# Allegro board LAY-29364_B.brd (continued)
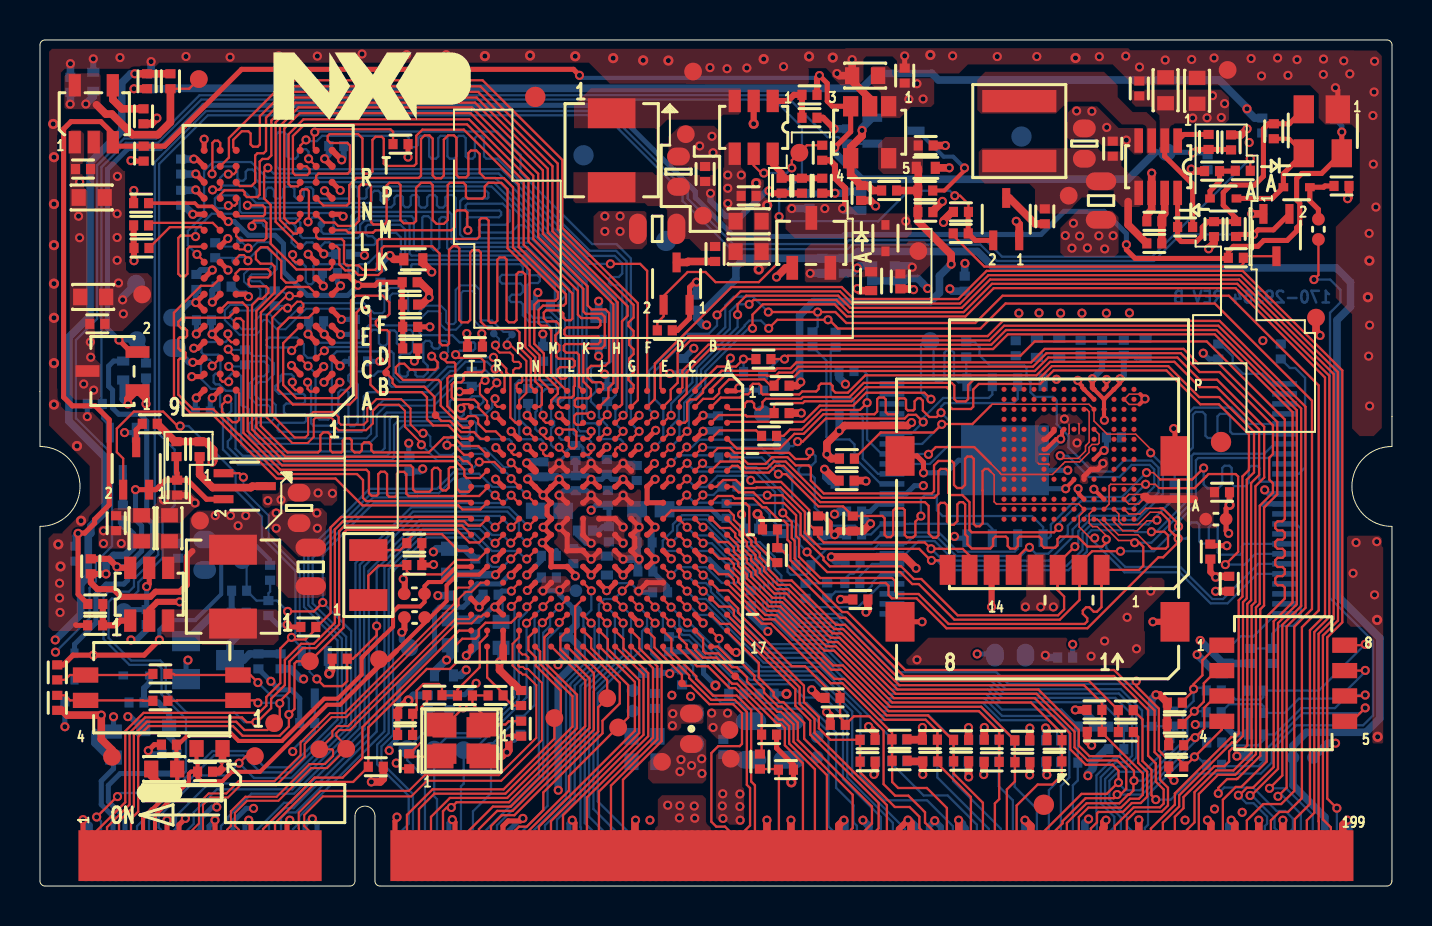
[diagram p0: board, top side]
## Routing (per net, layer and track width the routed paths; a pad name or vN(x,y) marks a point on that pad's centre or on a via; arc(x,y) is an arc through that point) (continued)
LCD_DATA0: length 44.6
  TOP w0.114: P801.153 51.35,3.16 51.81,3.62 52.33,4.14 53.97,4.14 54.41,4.58 54.48,4.58 54.68,4.78 54.68,5.25 v1(54.7,5.27) 54.7,5.77 53.97,6.5 52.47,6.5 51.95,7.03 51.95,7.81 49.92,9.84 42.88,9.84 40.07,12.64 39.62,12.64 37.41,14.86 36.81,14.86 35.99,15.67 35.99,15.86 35.56,16.29 35.56,16.48 35.13,16.92 35.13,17.12 34.76,17.48 34.76,17.66 34.5,17.92 34.02,17.92 U101.B9 ; SW601.1 58.88,12.05 58.12,11.3 58.12,10.55 57.68,10.11 v1(57.68,9.86) 57.68,9.78 57.12,9.22 R631.2
  BOTTOM w0.114: R630.1 58.19,9.92 57.74,9.92 v1(57.68,9.86) 57.68,9.26 57.15,8.73 57.15,7.24 55.19,5.27 v1(54.7,5.27)
LCD_DATA1: length 34.1
  TOP w0.114: P801.155 51.95,3.45 52.42,3.93 54.06,3.93 54.51,4.37 54.95,4.37 55.15,4.56 55.15,5.63 53.12,7.66 R632.2 53.1,7.73 R623.1 53.1,9.16 52.21,10.05 42.97,10.05 40.16,12.86 39.71,12.86 37.5,15.08 36.9,15.08 36.21,15.76 36.21,15.95 35.78,16.38 35.78,16.57 35.34,17 35.34,17.21 34.98,17.57 34.98,17.74 34.36,18.37 U101.A9
LCD_DATA2: length 41
  TOP w0.114: U101.E10 31.16,17.56 v1(31.56,17.16)
  BOTTOM w0.114: v1(31.56,17.16) 31.86,17.47 31.86,18.01 32.2,18.35 33.32,18.35 34.66,17 35.9,17 36.52,16.38 36.52,15.78 36.86,15.45 36.86,15.11 37.23,14.74 37.23,14.35 38.17,13.4 39.93,13.4 42.84,10.49 47.66,10.49 48.3,9.85 54.04,9.85 55.1,8.79 55.1,8.1 55.21,8 R633.2 56.66,8 R622.1 56.67,7.21 55.18,5.72 53.92,5.72 53.47,5.27 53.47,4.32 54.37,3.43 54.37,2.98 54.65,2.7 P801.164
LCD_DATA3: length 31.4
  TOP w0.114: v1(32.36,17.16) 31.96,17.56 U101.D10
  BOTTOM w0.114: v1(32.36,17.16) 32.75,16.77 33.67,16.77 34.31,16.14 35.54,16.14 35.66,16.02 35.66,15.42 35.99,15.09 35.99,14.76 36.36,14.38 36.36,13.89 37.71,12.54 39.57,12.54 42.49,9.62 47.31,9.62 48.09,8.83 51.07,8.83 R621.1 51.92,7.31 51.89,7.28 R634.2 51.89,5.28 51.65,5.04 P801.154
LCD_DATA4: length 33.5
  TOP w0.114: U101.C10 32.76,17.56 v1(33.16,17.16)
  BOTTOM w0.114: v1(33.16,17.16) 33.59,17.16 34.39,16.36 35.63,16.36 35.87,16.11 35.87,15.51 36.21,15.18 36.21,14.85 36.58,14.47 36.58,13.98 37.8,12.75 39.66,12.75 42.58,9.84 47.4,9.84 48.03,9.2 53.07,9.2 54.19,8.08 R620.1 54.19,7.97 R635.2 54.19,6.75 53.86,6.41 53.7,6.41 52.83,5.54 52.83,3.72 52.85,3.7 52.85,1.52 P801.158
LCD_DATA5: length 43.2
  TOP w0.114: U101.B10 33.93,17.22 34.4,17.22 34.7,16.92 34.7,16.74 35.13,16.3 35.13,16.12 35.56,15.68 35.56,15.5 36.63,14.43 37.19,14.43 39.41,12.21 39.89,12.21 42.7,9.4 49.74,9.4 51.51,7.63 51.51,6.85 52.29,6.07 53.63,6.07 53.93,5.78 v1(53.93,5.18) 53.91,5.18 53.34,4.61 52.08,4.61 50.15,2.68 P801.149 ; SW601.2 58.83,10.78 58.19,10.15 58.19,9.22 v1(57.72,8.75) 57.11,8.14 R636.2
  BOTTOM w0.114: v1(53.93,5.18) 53.93,5.14 54.27,4.79 55.02,4.79 57.37,7.15 57.37,8.4 v1(57.72,8.75) 58.26,8.75 R629.1
LCD_DATA6: length 41.8
  TOP w0.114: U101.A10 34.91,17.03 34.91,16.83 35.34,16.39 35.34,16.21 35.78,15.77 35.78,15.58 36.72,14.64 37.32,14.64 39.53,12.43 39.98,12.43 42.79,9.62 49.83,9.62 51.73,7.72 51.73,6.94 52.38,6.29 53.86,6.29 54.32,5.83 54.32,4.87 54.02,4.58 53.86,4.58 v1(53.86,4.58) 53.81,4.53 53.81,4.51 53.69,4.4 52.28,4.4 51.13,3.25 51.13,3.14 50.75,2.75 P801.151 ; R637.2 57.57,7.43 v1(57.76,7.43) 58.22,7.89 58.22,8.93 58.81,9.51 SW601.3
  BOTTOM w0.114: v1(53.86,4.58) 55.06,4.58 55.14,4.61 57.76,7.23 v1(57.76,7.43) 57.85,7.52 58.01,7.52 R628.1
LCD_DATA7: length 46.7
  TOP w0.114: SW601.4 59.09,7.83 v1(57.73,6.47) 57.25,5.99 R638.2 57.19,6.09 56.77,6.51 56.23,6.51 55.95,6.79 55.95,8.88 54.82,10.01 v1(54.82,10.25) ; v1(32.36,16.36) 31.96,16.76 U101.D11
  BOTTOM w0.114: P801.166 55.25,2.91 55.41,3.07 55.41,4.57 57.3,6.47 v1(57.73,6.47) 57.88,6.47 58.28,6.07 R627.1 ; v1(54.82,10.25) 54.68,10.12 48.41,10.12 47.83,10.7 42.93,10.7 40.02,13.62 38.29,13.62 37.44,14.47 37.44,14.83 37.07,15.2 37.07,15.54 36.74,15.87 36.74,16.47 35.99,17.22 34.75,17.22 33.41,18.56 32.11,18.56 31.65,18.1 31.65,17.8 31.14,17.29 31.14,16.94 31.31,16.77 31.95,16.77 v1(32.36,16.36)
LCD_DATA8: length 25.3
  TOP w0.114: U101.B11 33.96,16.39 34.43,16.39 34.7,16.12 34.7,15.94 35.13,15.5 35.13,15.32 36.45,14 37.01,14 39.23,11.78 39.71,11.78 42.52,8.97 47.07,8.97 R616.1 48.75,6.2 R639.2 48.75,5.24 48.35,4.83 P801.143
LCD_DATA9: length 28.3
  TOP w0.114: P801.145 48.95,2.66 48.84,2.77 48.84,4.03 49.89,5.08 50.62,5.08 51.1,5.55 R640.2 51.1,6.24 R615.1 51.1,7.64 49.55,9.19 42.61,9.19 39.8,12 39.32,12 37.1,14.21 36.54,14.21 35.34,15.41 35.34,15.59 34.91,16.03 34.91,16.21 34.36,16.77 U101.A11
LCD_DATA10: length 31.5
  TOP w0.114: v1(31.56,15.56) 31.16,15.96 U101.E12
  BOTTOM w0.114: P801.152 51.05,5.01 51.47,5.43 51.47,7.74 50.7,8.51 48.11,8.51 47.22,9.4 42.4,9.4 39.48,12.32 37.62,12.32 36.15,13.8 36.15,14.29 35.66,14.78 R614.1 35.55,14.83 35.24,15.15 35.24,15.59 ; 35.24,15.59 R641.2 ; 35.24,15.59 34.82,15.17 34.1,15.17 33.31,15.96 31.96,15.96 v1(31.56,15.56)
LCD_DATA11: length 26.7
  TOP w0.114: U101.D12 31.96,15.96 v1(32.36,15.56)
  BOTTOM w0.114: P801.148 49.85,3.86 48.74,4.97 R642.2 48.73,6.22 R613.1 48.73,7.28 47.04,8.97 42.22,8.97 39.3,11.89 36.39,11.89 33.55,14.73 33.55,14.92 33.3,15.17 32.75,15.17 v1(32.36,15.56)
LCD_DATA12: length 28.3
  TOP w0.114: U101.C12 32.76,15.96 v1(33.16,15.56)
  BOTTOM w0.114: v1(33.16,15.56) 33.21,15.56 33.86,14.91 33.86,14.72 36.48,12.11 39.39,12.11 42.31,9.19 47.13,9.19 48.02,8.3 50.44,8.3 50.86,7.88 50.86,7.47 R612.1 51.03,6.2 R643.2 51.04,5.39 50.45,4.8 P801.150
LCD_DATA13: length 22.2
  TOP w0.114: P801.139 47.15,4.17 45.69,5.63 R644.2 45.68,6.25 R611.1 45.62,7.32 44.4,8.54 42.34,8.54 40.06,10.82 39.57,10.82 36.83,13.56 36.27,13.56 34.7,15.14 34.7,15.32 34.41,15.61 33.94,15.61 U101.B12
LCD_DATA14: length 23.5
  TOP w0.114: U101.A12 34.36,15.97 34.91,15.41 34.91,15.23 36.36,13.78 36.92,13.78 39.66,11.04 40.15,11.04 42.43,8.76 46.95,8.76 47.97,7.74 R610.1 47.97,6.22 R645.2 47.96,4.35 47.75,4.14 P801.141
LCD_DATA15: length 23.8
  TOP w0.114: v1(32.36,14.76) 31.96,15.16 U101.D13
  BOTTOM w0.114: P801.142 48.05,2.87 45.66,5.26 R646.2 45.68,6.23 R609.1 44.44,8.54 42.04,8.54 39.16,11.42 36.25,11.42 33.3,14.37 32.75,14.37 v1(32.36,14.76)
LCD_DATA16: length 24.8
  TOP w0.114: v1(33.16,14.76) 32.76,15.16 U101.C13
  BOTTOM w0.114: v1(33.16,14.76) 33.21,14.76 36.3,11.68 39.21,11.68 42.13,8.76 46.95,8.76 47.94,7.76 R608.1 47.94,6.23 R647.2 47.94,5 48.65,4.29 P801.144
LCD_DATA17: length 20.3
  TOP w0.114: P801.133 45.35,3.91 44.35,4.91 42.91,4.91 42.61,5.21 R648.2 42.61,6.28 R607.1 42.61,7.67 40.12,10.15 39.54,10.15 36.56,13.13 36.09,13.13 34.42,14.8 33.95,14.8 U101.B13
LCD_DATA18: length 20.5
  TOP w0.114: U101.A13 34.36,15.17 36.18,13.35 36.74,13.35 39.72,10.37 40.21,10.37 42.25,8.32 44.28,8.32 44.87,7.74 R606.1 44.87,6.26 R649.2 44.89,6.12 46.55,4.46 P801.137
LCD_DATA19: length 21.9
  TOP w0.114: U101.D14 31.96,14.36 v1(32.36,13.96)
  BOTTOM w0.114: v1(32.36,13.96) 32.54,13.96 32.93,13.57 33.49,13.57 36.09,10.96 39,10.96 42.58,7.39 R605.1 42.58,6.24 R650.2 42.58,6.13 44.19,4.53 45.39,4.53 46.85,3.07 P801.138
LCD_DATA20: length 22.2
  TOP w0.114: v1(33.16,13.96) 32.76,14.36 U101.C14
  BOTTOM w0.114: P801.140 47.45,2.86 44.87,5.44 R651.2 44.87,6.23 R604.1 44.87,7.74 44.28,8.32 41.95,8.32 39.09,11.18 36.18,11.18 33.4,13.96 v1(33.16,13.96)
LCD_DATA21: length 18.9
  TOP w0.114: U101.B14 33.96,13.98 34.51,13.98 34.7,13.8 34.7,13.54 38.2,10.03 38.2,9.2 38.95,8.46 38.95,7.9 39.52,7.32 R603.1 41,6.23 R652.2 41.01,5.7 42.75,3.96 43.48,3.96 43.97,3.47 43.97,2.9 44.15,2.72 P801.129
LCD_DATA22: length 19.5
  TOP w0.114: P801.131 44.75,2.68 44.25,3.17 44.25,3.69 43.42,4.52 42.76,4.52 42.18,5.1 42.18,7.78 41.47,8.5 40.7,8.5 R653.2 40.27,8.17 40.01,8.43 R602.1 40.01,9.68 39.81,9.87 39.38,9.87 38.25,11 37.59,11 34.91,13.68 34.91,13.89 34.42,14.39 U101.A14
LCD_DATA23: length 19.7
  TOP w0.114: U101.B16 v1(33.95,12.39)
  BOTTOM w0.114: v1(33.95,12.39) 33.95,12.01 34.79,11.17 35.26,11.17 35.69,10.75 38.91,10.75 41.03,8.63 R601.1 41.03,6.24 R654.2 41.03,5.49 42.23,4.29 44.36,4.29 45.65,3 P801.134
LCD_DE: length 36.9
  TOP w0.114: P801.163 54.35,3.29 54.78,3.72 56.09,3.72 56.4,4.04 56.4,4.92 56.01,5.32 56.01,6.43 55.73,6.7 55.73,8.79 53.71,10.81 43.26,10.81 40.36,13.71 40.11,13.71 37.52,16.31 37.52,17.19 37.38,17.33 37.38,18.1 37.19,18.29 36.98,18.29 36.32,18.95 36.12,18.95 35.67,19.4 34.74,19.4 34.62,19.52 33.9,19.52 U101.B8
LCD_DISP: length 35.4
  TOP w0.114: U101.R6 22.72,21.22 v1(21.96,21.22)
  BOTTOM w0.114: v1(21.96,21.22) 21.6,20.86 20.83,20.86 19.85,19.88 16.48,19.88 13.2,16.61 13.2,13.97 14.88,12.29 14.88,8.32 13.32,6.77 12.5,5.94 11.23,5.94 10.42,6.75 8.61,6.75 4.85,2.99 P801.10
LCD_HSYNC: length 36
  TOP w0.114: v1(32.36,17.96) 31.96,18.36 U101.D9
  BOTTOM w0.114: v1(32.36,17.96) 32.77,17.55 33.51,17.55 34.48,16.57 35.72,16.57 36.09,16.2 36.09,15.6 36.42,15.27 36.42,14.93 36.8,14.56 36.8,14.07 37.89,12.97 39.75,12.97 42.67,10.05 47.49,10.05 48.12,9.42 53.77,9.42 54.61,8.58 54.61,6.52 54.28,6.2 53.79,6.2 53.04,5.45 53.04,4.14 53.72,3.47 53.72,2.95 53.45,2.68 P801.160
LCD_PCLK: length 32.5
  TOP w0.114: P801.161 53.75,3 54.69,3.94 56,3.94 56.19,4.13 56.19,4.83 55.79,5.23 55.79,6.14 55.41,6.52 55.41,8.81 53.7,10.51 43.18,10.51 40.27,13.42 40.02,13.42 37.31,16.14 37.31,16.6 36.97,16.94 R413.2 36.88,16.95 C414.2
LCD_RESET: length 28.7
  TOP w0.114: U101.E9 31.57,18.79 34.45,18.79 34.7,18.54 34.7,18.34 35.2,17.83 35.2,17.66 35.57,17.29 35.57,17.08 35.99,16.66 35.99,16.47 36.42,16.04 36.42,15.85 36.99,15.29 37.59,15.29 39.8,13.08 40.25,13.08 43.06,10.27 52.46,10.27 R404.1 53.92,7.71 R405.1
LCD_RST: length 8.6
  TOP w0.114: R405.2 54.91,7.46 54.91,6.17 55.36,5.72 55.36,4.47 55.04,4.15 54.6,4.15 54.15,3.71 52.93,3.71 52.85,3.63 52.85,3.19 52.55,2.88 P801.157
LCD_VSYNC: length 35.4
  TOP w0.114: v1(33.16,17.96) 32.76,18.36 U101.C9
  BOTTOM w0.114: v1(33.16,17.96) 33.4,17.96 34.57,16.79 35.81,16.79 36.3,16.29 36.3,15.69 36.64,15.36 36.64,15.02 37.01,14.65 37.01,14.18 38,13.19 39.84,13.19 42.76,10.27 47.58,10.27 48.21,9.63 53.95,9.63 54.82,8.76 54.82,6.43 54.37,5.98 53.88,5.98 53.26,5.36 53.26,4.23 54.05,3.44 P801.162
MX6_POR_B: length 104.1
  TOP w0.114: R757.1 v1(60.52,36.41) ; v1(3.88,4.48) 3.86,4.48 v1(2.83,3.45)
  BOTTOM w0.114: v1(3.88,4.48) 4.06,4.66 6.21,4.66 7.3,5.75 7.3,8.36 6.08,9.59 6.08,10.89 5.9,11.07 4.47,11.07 3.18,12.36 3.18,14.48 3.43,14.73 4.45,14.73 4.7,14.99 4.7,15.37 5.91,16.58 5.91,18.47 5.74,18.64 5.74,36.23 8.3,38.79 28.33,38.79 32.39,34.74 32.39,34.42 34.67,32.13 40.26,32.13 40.45,32.32 47.28,32.32 48.1,31.5 55.61,31.5 v1(60.52,36.41) ; P801.4 3.05,3.24 v1(2.83,3.45)
NAND_ALE: length 23.4
  TOP w0.076: 47.54,21.15 47.99,20.7 47.99,20.68 48.07,20.6 50.63,20.6 51.14,21.11 51.14,21.11 51.25,21.23 51.98,21.23 52.46,21.7 52.46,21.95 52.6,22.1 52.89,22.1 52.96,22.17 52.96,22.6 U301.K5
  TOP w0.114: v1(44.43,21.61) 44.79,21.97 46.72,21.97 47.54,21.15 ; v1(41.36,24.19) 41,23.83 39.08,23.83 38.1,22.85 37.5,22.85 37.18,22.53 R412.2
  BOTTOM w0.114: R301.1 41.19,25.78 41.36,25.61 v1(41.36,24.19) 41.36,22.35 42.08,21.63 U302.17 44.41,21.63 v1(44.43,21.61)
NAND_CE3N: length 9.5
  BOTTOM w0.114: U302.14 42.04,20.13 40.76,21.41 R319.2 40.73,22.1 40.48,22.35 39.44,22.35 39.33,22.47 39.33,26.29 R311.2
NAND_CE4N: length 8.9
  BOTTOM w0.114: R312.2 39.66,26.97 39.54,26.85 39.54,24.51 39.66,24.4 40.6,24.4 40.71,24.28 R320.2 41.02,23.6 41.14,23.47 41.14,21.39 41.9,20.63 U302.15
NAND_CLE: length 25.7
  TOP w0.114: v1(45.05,23.69) 44.84,23.48 44.47,23.48 44.15,23.8 44.15,24.29 44.02,24.42 43.89,24.42 43.73,24.26 43.73,23.87 43.67,23.8 43.39,23.8 43.3,23.89 43.3,24.33 43.23,24.41 42.96,24.41 42.87,24.32 42.87,23.67 42.81,23.61 42.4,23.61 42.29,23.72 42.29,24.36 42.2,24.45 41.94,24.45 41.86,24.37 41.86,23.75 41.73,23.61 39.17,23.61 38.19,22.63 37.72,22.63 36.99,21.9 34.85,21.9 U101.A4
  BOTTOM w0.114: U303.7 48.89,24.38 48.68,24.17 45.24,24.17 45.05,23.99 v1(45.05,23.69) 45.48,23.27 45.48,22.11 44.5,21.13 U302.16
NAND_DATA0: length 35.3
  TOP w0.076: U301.A3 53.7,18.22 54.15,17.78 54.86,17.78 55.36,18.28 55.82,18.28 v1(55.85,18.31)
  TOP w0.114: v1(35.54,20.31) 35.62,20.23 37.06,20.23 38.46,18.82 38.46,18.1 38.8,17.77 R321.2 38.9,17.49 39.19,17.2 44.24,17.2 v1(44.56,16.88) 44.96,16.88 44.96,16.88 46.14,16.88 46.48,16.54 46.48,15.83 J301.7 ; U101.D7 v1(32.35,20.38)
  BOTTOM w0.114: R324.2 55.85,18.54 v1(55.85,18.31) 55.82,18.28 55.61,18.28 55.42,18.1 55.42,18.1 52.57,18.1 52.13,17.67 52.13,16.83 51.33,16.03 45.42,16.03 44.56,16.88 v1(44.56,16.88) ; v1(32.35,20.38) 32.76,19.97 33.32,19.97 33.88,20.53 35.32,20.53 v1(35.54,20.31)
NAND_DATA1: length 47
  TOP w0.076: 55.46,17.02 54.9,17.58 53.93,17.58 53.2,18.3 U301.A4
  TOP w0.114: J301.8 45.38,15.83 45.38,15.89 44.97,16.3 v1(44.58,16.3) 44.54,16.3 43.96,16.88 39.05,16.88 38.25,17.68 38.25,18.73 37.03,19.95 35.83,19.95 35.8,19.92 35.2,19.92 34.8,20.32 34.16,20.32 33.82,19.98 U101.B7 ; 55.46,17.02 55.59,16.89 56.29,16.89 56.4,17.01 56.4,17.56 56.23,17.73 v1(55.57,17.73)
  BOTTOM w0.114: v1(44.58,16.3) 44.84,16.3 45.33,15.81 51.42,15.81 52.35,16.74 52.35,17.58 52.58,17.81 54.67,17.81 54.76,17.71 55.56,17.71 v1(55.57,17.73) 55.82,17.73 57.37,19.28 57.37,21.67 57.65,21.95 57.65,23.59 57.79,23.73 58.13,23.73 58.28,23.59 58.28,22.54 58.39,22.43 58.76,22.43 58.88,22.54 58.88,23.51 59,23.63 59.37,23.63 59.51,23.49 59.51,22.74 59.63,22.63 U302.30
NAND_DATA2: length 43.1
  TOP w0.076: v1(54.74,17.18) 54.63,17.29 53.93,17.29 52.86,18.36 U301.A5
  TOP w0.114: U101.A7 34.66,19.98 34.94,19.7 35.68,19.7 36.21,19.17 37.19,19.17 37.81,18.56 37.81,17.51 37.95,17.37 37.95,16.49 39.02,15.42 42.61,15.42 42.76,15.27 42.76,14.75 42.9,14.62 43.93,14.62 45.43,13.12 52.24,13.12 52.37,13.25 52.37,13.41 52.14,13.63 52.14,13.79 52.31,13.95 52.47,13.95 52.69,13.73 52.85,13.73 53.08,13.96 53.08,15.01 53.08,15.02 J301.1 54.96,15.83 55.17,16.03 55.17,16.98 54.97,17.18 v1(54.74,17.18)
  BOTTOM w0.114: v1(54.74,17.18) 55.57,17.18 57.58,19.19 57.58,21.53 57.7,21.64 61.23,21.64 61.71,22.13 U302.31
NAND_DATA3: length 44.3
  TOP w0.076: 56.02,18.91 55.29,18.91 55,18.62 54.45,18.62 U301.B2
  TOP w0.114: v1(54.03,16.76) 52.61,16.76 51.98,16.13 51.98,15.83 J301.2 51.98,15.02 51.98,15.01 51.98,14.32 51,13.33 45.72,13.33 43.94,15.11 43.62,15.11 43.01,15.72 39.36,15.72 v1(38.36,16.72) ; U101.D6 32.33,21.16 v1(32.36,21.16) ; v1(56.93,17.99) 56.93,18.12 56.15,18.91 56.02,18.91
  BOTTOM w0.114: v1(38.36,16.72) 37.98,17.1 37.98,18 37.7,18.28 36.96,18.28 36.75,18.48 36.75,19.72 35.73,20.75 32.77,20.75 v1(32.36,21.16) ; v1(54.03,16.76) 55.7,16.76 v1(56.93,17.99) 56.93,18.24 57.8,19.1 57.8,21.31 57.91,21.42 61.46,21.42 61.66,21.63 U302.32
NAND_DATA4: length 45.8
  TOP w0.076: 56.02,18.69 55.96,18.69 55.94,18.71 55.51,18.71 54.89,18.09 54.12,18.09 53.95,18.26 53.95,18.62 U301.B3
  TOP w0.114: v1(37.14,18.68) 37.59,18.23 37.59,17.42 37.74,17.28 37.74,16.4 38.96,15.17 42.29,15.17 42.43,15.03 42.43,14.57 42.6,14.4 43.83,14.4 45.33,12.9 52.37,12.9 55.92,16.45 56.16,16.45 56.91,17.2 v1(56.91,17.39) 56.72,17.58 56.72,17.58 56.47,17.83 56.47,18.27 56.06,18.69 56.02,18.69 ; U101.C6 v1(33.13,21.16)
  BOTTOM w0.114: v1(37.14,18.68) 37.14,19.64 35.82,20.96 33.33,20.96 v1(33.13,21.16) ; U302.41 60.21,17.13 60.1,17.01 60.1,16.67 60.02,16.59 59,16.59 58.89,16.7 58.89,17.96 58.77,18.08 58.56,18.08 58.44,17.96 58.44,17.25 58.33,17.14 58.08,17.14 57.97,17.25 57.97,18.08 57.85,18.2 57.58,18.2 57.42,18.04 57.42,17.51 57.31,17.39 v1(56.91,17.39)
NAND_DATA5: length 44.1
  TOP w0.076: U301.B4 53.46,19.12 53.46,20.03 53.54,20.11 v1(55.28,20.11) 55.77,20.11 55.96,19.91 56.02,19.91
  TOP w0.114: U101.B6 34.02,21.25 34.98,21.25 35.31,20.91 36.36,20.91 36.7,21.25 37.29,21.25 39.1,19.43 44.72,19.43 44.92,19.63 44.92,20.76 45.04,20.88 45.3,20.88 45.41,20.76 45.41,19.68 45.53,19.57 46.12,19.57 46.48,19.21 46.48,17.82 46.59,17.71 50.71,17.71 v1(50.94,17.94) ; 56.02,19.91 57.73,19.91 58.31,20.5 58.31,20.51 58.43,20.62 59.79,20.62 59.91,20.5 59.91,16.73 v1(59.27,16.09)
  BOTTOM w0.114: v1(55.28,20.11) 55.28,20.11 54.43,19.26 52.05,19.26 50.94,18.15 v1(50.94,17.94) ; v1(59.27,16.09) 60.23,16.09 60.77,16.62 U302.42
NAND_DATA6: length 43.1
  TOP w0.076: U301.B5 52.46,18.62 52.46,18.16 52.64,17.99 52.86,17.99 53.32,17.53 v1(53.32,17.35)
  TOP w0.114: v1(53.32,17.35) 53.28,17.31 53.28,17.15 53.12,16.99 52.38,16.99 51.88,17.49 51,17.49 50.88,17.37 50.88,17.05 50.76,16.93 50.2,16.93 50.08,17.06 50.08,17.37 49.96,17.49 48.99,17.49 48.9,17.4 48.9,17.02 48.77,16.89 48.51,16.89 48.39,17.02 48.39,17.4 48.3,17.49 47.77,17.49 47.66,17.37 47.66,17.03 47.52,16.89 46.59,16.89 46.38,17.1 46.38,17.49 46.26,17.6 46.26,19.1 46.15,19.22 45.99,19.22 45.87,19.1 45.87,18.26 45.69,18.08 45.52,18.08 45.35,18.25 45.35,19.06 45.24,19.18 45.04,19.18 44.93,19.06 44.93,17.55 44.81,17.43 44.65,17.43 44.44,17.65 44.44,19.03 44.25,19.22 39.01,19.22 37.2,21.03 36.79,21.03 36.45,20.69 35.22,20.69 34.89,21.03 34.61,21.03 U101.A6
  BOTTOM w0.114: U302.43 60.92,16.12 59.16,14.36 58.62,14.36 57.02,15.97 54.27,15.97 53.32,16.92 v1(53.32,17.35)
NAND_DATA7: length 44.6
  TOP w0.076: v1(52.74,17.42) 52.52,17.42 51.96,17.97 51.96,18.52 52.2,18.76 U301.B6 51.95,19.12 47.83,19.12 47.71,19.23 47.71,20.57 47.54,20.75
  TOP w0.114: U101.A5 34.45,21.58 34.57,21.46 35.07,21.46 35.4,21.13 36.27,21.13 36.61,21.46 37.38,21.46 37.79,21.05 38.43,21.05 38.55,20.94 38.55,20.29 39.19,19.65 44.59,19.65 44.71,19.76 44.71,21.05 44.93,21.28 45.59,21.28 45.7,21.16 45.7,20.08 45.86,19.92 46.1,19.92 46.26,20.08 46.26,21.38 46.37,21.5 46.58,21.5 46.69,21.38 46.69,18.12 46.81,18.01 46.99,18.01 47.14,18.15 47.14,19.8 47.13,19.81 47.13,20.76 47.25,20.88 47.41,20.88 47.54,20.75
  BOTTOM w0.114: U302.44 60.86,15.62 59.38,14.15 58.53,14.15 56.98,15.7 54.23,15.7 52.74,17.19 v1(52.74,17.42)
NAND_DQS: length 42.1
  TOP w0.076: 56.02,20.35 55.68,20.69 v1(55.33,20.69)
  TOP w0.114: v1(58.19,20.92) 57.61,20.35 56.02,20.35 56.02,20.35 ; v1(44.05,18.52) 43.77,18.24 43.77,17.56 43.66,17.45 43.36,17.45 43.24,17.57 43.24,18.82 43.16,18.9 42.77,18.9 42.66,18.79 42.66,17.58 42.55,17.46 42.35,17.46 42.24,17.58 42.24,18.41 42.12,18.52 40.65,18.52 R315.2 40.16,19 38.92,19 37.31,20.61 v1(36.92,20.61)
  BOTTOM w0.114: v1(55.33,20.69) 55.32,20.69 54.1,19.47 51.93,19.47 50.55,18.09 50.55,17.53 50.43,17.41 U303.1 50.16,17.97 49.61,18.52 45.14,18.52 44.85,18.8 44.85,19.46 44.73,19.58 44.26,19.58 44.05,19.37 v1(44.05,18.52) ; v1(36.92,20.61) 36.09,21.45 R408.2 ; v1(58.19,20.92) 58.19,20.1 58.38,19.91 58.92,19.91 59.12,20.1 59.12,20.92 59.23,21.04 59.48,21.04 59.59,20.92 59.59,20.14 59.71,20.02 60.27,20.02 60.44,20.18 60.44,20.9 60.57,21.03 60.86,21.03 60.97,20.92 60.97,20.36 61.09,20.24 61.6,20.24 61.71,20.13 U302.35
NAND_NCE0: length 20.8
  TOP w0.114: U101.C5 33.13,21.96 v1(33.14,21.96)
  BOTTOM w0.114: U303.2 48.89,16.88 48.74,16.73 45.91,16.73 44.94,17.7 43.28,17.7 43.21,17.63 U302.9 42.08,17.63 41.57,17.12 38.72,17.12 38.39,17.45 R318.2 38.39,18.58 37.62,19.36 37.62,20.47 36.9,21.18 36.83,21.18 36.06,21.96 v1(33.14,21.96)
NAND_NCE1: length 20.1
  TOP w0.114: v1(38.49,21.73) 38.49,21.49 38.37,21.37 37.77,21.37 37.46,21.68 34.74,21.68 34.5,21.92 33.9,21.92 U101.B5
  BOTTOM w0.114: U303.3 47.62,17.88 47.36,18.13 43.5,18.13 43.49,18.13 U302.10 42.08,18.13 41.55,17.6 R303.2 41.08,17.7 40.75,18.04 39.65,18.04 38.74,18.94 38.74,20.42 38.57,20.59 38.05,20.59 37.93,20.71 37.93,20.89 38.1,21.05 38.59,21.05 38.78,21.24 38.78,21.52 38.58,21.73 v1(38.49,21.73)
NAND_NRE: length 34.7
  TOP w0.076: v1(51.01,21.54) 51.15,21.41 51.91,21.41 52.28,21.77 52.28,22.02 52.31,22.05 52.31,22.06 52.46,22.21 52.46,23.74 52.34,23.86 U301.M6
  TOP w0.114: J301.5 48.68,15.83 48.68,16.27 49.37,16.95 v1(49.48,16.95)
  BOTTOM w0.114: C415.2 37.38,16.58 37.38,15.72 37.53,15.58 38.3,15.58 38.55,15.82 R406.2 38.56,16.07 38.56,16.1 39.32,16.86 41.69,16.86 41.95,17.13 U302.8 43.29,17.13 43.65,17.48 44.84,17.48 45.81,16.52 49.04,16.52 v1(49.48,16.95) 49.79,16.64 50.42,16.64 51.39,17.61 51.39,18.03 52.24,18.88 54.61,18.88 55.72,19.99 55.72,20.85 55.49,21.08 54.58,21.08 53.97,20.47 52.46,20.47 51.39,21.54 v1(51.01,21.54)
NAND_NREADY: length 22.3
  TOP w0.114: v1(44.55,24.37) 44.23,24.69 41.31,24.69 40.67,24.05 38.99,24.05 38.18,23.23 34.41,23.23 U101.A3
  BOTTOM w0.114: v1(44.55,24.37) 44.38,24.37 44.05,24.7 44.05,27.1 44.23,27.28 TP301.1 44.68,27.12 44.68,25.4 44.79,25.28 45.11,25.28 45.22,25.4 45.22,26.7 45.34,26.81 45.59,26.81 45.7,26.7 45.7,25.43 45.93,25.21 U303.5 46.32,25.24 R323.1
NAND_NWE: length 51.9
  TOP w0.076: 47.54,24.04 47.62,24.11 52.45,24.11 U301.M5 52.7,23.28 53.36,22.62 54.79,22.62 55.54,21.87 v1(55.54,21.68)
  TOP w0.114: v1(36.37,19.56) 37.11,19.56 38.03,18.64 38.03,17.59 39.18,16.45 39.18,16.32 39.49,16 43.06,16 43.69,15.37 44.07,15.37 45.89,13.55 50.91,13.55 51.21,13.85 51.21,14.49 50.88,14.82 50.88,15.01 50.88,15.02 J301.3 50.88,15.83 50.88,16.13 51.74,16.99 v1(51.75,16.99) ; 47.54,24.04 46.63,23.13 45.11,23.13 v1(45.09,23.11) 44.68,22.7 42.03,22.7 R322.2
  BOTTOM w0.114: R407.2 35.29,19.56 v1(36.37,19.56) ; v1(55.54,21.68) 56.15,21.07 56.15,19.61 54.85,18.32 52.48,18.32 51.92,17.76 51.92,17.16 v1(51.75,16.99) ; v1(45.09,23.11) 44.11,22.13 U302.18
NAND_NWP: length 20
  TOP w0.114: v1(44.16,23.23) 43.8,23.59 43.42,23.59 43.23,23.4 39.29,23.4 38.14,22.25 v1(37.88,22.25) ; U101.D5 v1(32.34,21.97)
  BOTTOM w0.114: U302.19 43.57,22.63 v1(44.16,23.23) 44.16,23.43 45.16,24.43 47.45,24.43 47.62,24.6 U303.6 ; v1(32.34,21.97) 32.6,21.97 32.98,22.34 36.75,22.34 TP303.1 37.66,22.02 v1(37.88,22.25)
NAND_RB0: length 36.7
  BOTTOM w0.114: R304.1 39.34,15.15 R305.1 R306.1 40.24,15.38 40.5,15.63 40.68,15.63 41.01,15.96 R317.2 41.2,16.46 41.66,16.46 41.83,16.62 U302.7 43.28,16.62 43.93,17.27 44.73,17.27 45.71,16.29 50.45,16.29 51.64,17.47 51.64,17.85 52.32,18.53 54.76,18.53 55.93,19.7 55.93,20.94 55.58,21.29 54.19,21.29 53.65,20.75 52.64,20.75 51.43,21.95 51.43,22.53 50.84,23.12 50.84,24.3 50.66,24.48 49.76,24.48 49.53,24.72 49.53,25.23 49.33,25.43 49.33,25.94 49.21,26.05 47.49,26.05 46.98,26.56 46.98,26.98 46.73,27.24 R323.2
NAND_RB1: length 2.2
  BOTTOM w0.114: U302.6 41.61,16.12 40.99,15.51 R306.2
NAND_RB2: length 3.8
  BOTTOM w0.114: U302.5 42.05,15.62 41.61,15.18 41.61,15.04 41.3,14.73 39.78,14.73 39.47,14.42 R305.2
NAND_RB3: length 5
  BOTTOM w0.114: R304.2 38.72,13.96 40.91,13.96 42.07,15.12 U302.4
NUSB_OTG_CHD: length 16.8
  TOP w0.114: U101.U16 20.96,12.79 16.12,7.95 16.12,6.42 15.13,5.43 13.73,5.43 11.15,2.85 P801.31
NVCC_CSI: length 71.3
  TOP w0.254: U101.F4 v1(30.78,22.81)
  BOTTOM w0.305: C404.1 v1(31.5,25.65)
  BOTTOM w0.381: v1(33.33,28.08) 33.15,28.08 32.83,28.4 C818.1 33.24,28.82 34.8,30.39 34.8,30.99 35.23,31.42 R704.2 40.18,31.42 R703.2 40.57,31.43 40.9,31.76 46.88,31.76 47.7,30.94 64.82,30.94 65.53,30.23 65.53,29 64.85,28.32 64.85,14.55 67,12.41 67,8.39 66.3,7.7 63.32,7.7 62.66,7.03 C809.1 62.66,5.04 64.25,3.45 P801.196
NVCC_NAND: length 16.2
  TOP w0.203: U301.N4 U301.P3 54.01,25.16 v1(54.01,25.39) ; U301.N4 U301.P5 ; U301.N4 U301.M4 53.2,23.33 v1(53.22,23.31) ; U301.C6 51.96,19.6 51.96,19.64 51.91,19.69 v1(51.91,19.89)
  TOP w0.254: v1(52.62,25.39) 52.62,24.94 U301.P5 ; U101.E7 v1(31.54,20.36)
  TOP w0.381: v1(40.03,14.35) 40.03,14.34 C322.1 ; C321.1 41.22,20.29 41.25,20.27 v1(41.3,20.27) ; C323.1 v1(58.78,14.75)
  BOTTOM w0.203: v1(35.08,18.6) 35.18,18.5 C403.1
  BOTTOM w0.305: C305.1 54.19,25.58 v1(54.01,25.39) ; C305.1 54.19,26.56 C306.1 53.11,25.88 v1(52.62,25.39) ; C305.1 54.71,26.57 54.81,26.47 C304.1
  BOTTOM w0.381: C319.1 45.61,29.78 v1(45.5,29.89) ; v1(44.39,29.91) 44.14,30.15 44.14,30.16 43.89,30.41 43.35,30.41 43.23,30.29 R702.2 41.61,30.29 R701.2
NVCC_PLL_OUT: length 2.8
  TOP w0.114: U101.P13 23.57,14.8 v1(23.57,14.76)
  BOTTOM w0.114: C121.1 23.13,14.36 23.13,13.3 C122.1
  BOTTOM w0.254: v1(23.57,14.76) 23.09,14.76 C121.1
NVCC_SD: length 21.7
  TOP w0.254: v1(33.16,22.76) 32.78,22.39 U101.C4
  TOP w0.381: R720.1 R721.1 ; R721.1 43.92,34.84 43.92,35.95 ; R721.1 43.9,34.8 R731.2 43.9,33.27 45.56,31.61 v1(45.56,31.12) ; R403.1 v1(38.07,23.67) ; v1(38.04,25.23) 37.86,25.04 R402.1
  BOTTOM w0.381: v1(38.04,25.23) 37.98,25.29 37.98,28.56 38.67,29.25 44.53,29.25 44.98,29.69 44.98,30.54 v1(45.56,31.12) ; v1(33.16,22.76) 33.18,22.79 C405.1
NWDOG: length 44
  TOP w0.114: C738.1 63.93,30.58 v1(63.7,30.36) ; R404.2 55.13,8.34 55.13,6.26 55.58,5.81 55.58,4.54 v1(55.79,4.33)
  BOTTOM w0.114: v1(63.7,30.36) 64.51,30.36 65.02,29.84 65.02,29.21 64.5,28.69 64.5,14.41 66.65,12.26 66.65,8.54 66.16,8.05 62.82,8.05 61.59,6.82 61.59,6.18 61.04,5.63 57.84,5.63 56.54,4.33 v1(55.79,4.33)
ONOFF: length 35.2
  TOP w0.114: v1(9.96,6.15) 10.31,6.5 TP816.1 ; U101.R8 23.13,19.19 v1(22.76,19.56)
  BOTTOM w0.114: P801.14 6.05,2.81 5.94,2.93 5.94,3.47 8.01,5.54 9.34,5.54 v1(9.96,6.15) 10.7,5.41 12.57,5.41 15.31,8.15 15.31,12.47 13.63,14.15 13.63,16.42 16.66,19.45 20.62,19.45 TP508.1 22.28,20.01 22.73,19.56 v1(22.76,19.56)
OSC_CLK: length 4.4
  TOP w0.114: R514.1 22.4,9.54 R508.2 21.62,9.11 22.18,8.56 Y501.1 23.27,8.09 23.44,8.25 C506.1
PERI_PWREN: length 23.4
  TOP w0.114: U101.P11 v1(23.54,16.37)
  BOTTOM w0.114: v1(23.54,16.37) 23.15,15.97 22.6,15.97 22.37,16.2 22.37,16.69 21.62,17.45 19.34,17.45 17.65,15.76 17.65,7.56 17.07,6.98 17.07,6.18 18.65,4.61 P801.44
